# Altium PCB UltraZOhm_CarrierBoard.PcbDoc (part 1 of 12)
Units mm, origin at the board's own origin, x right, y up, seen from the top; angles counter-clockwise.
Board outline 350 x 128 mm, 6 copper layers (Top Layer, L02_GND, L03_Sig, L04_Sig, L05_VCC, Bottom Layer), stack 2.021 mm thick; 851 components, 1243 nets, 4332 pads, 2446 vias.
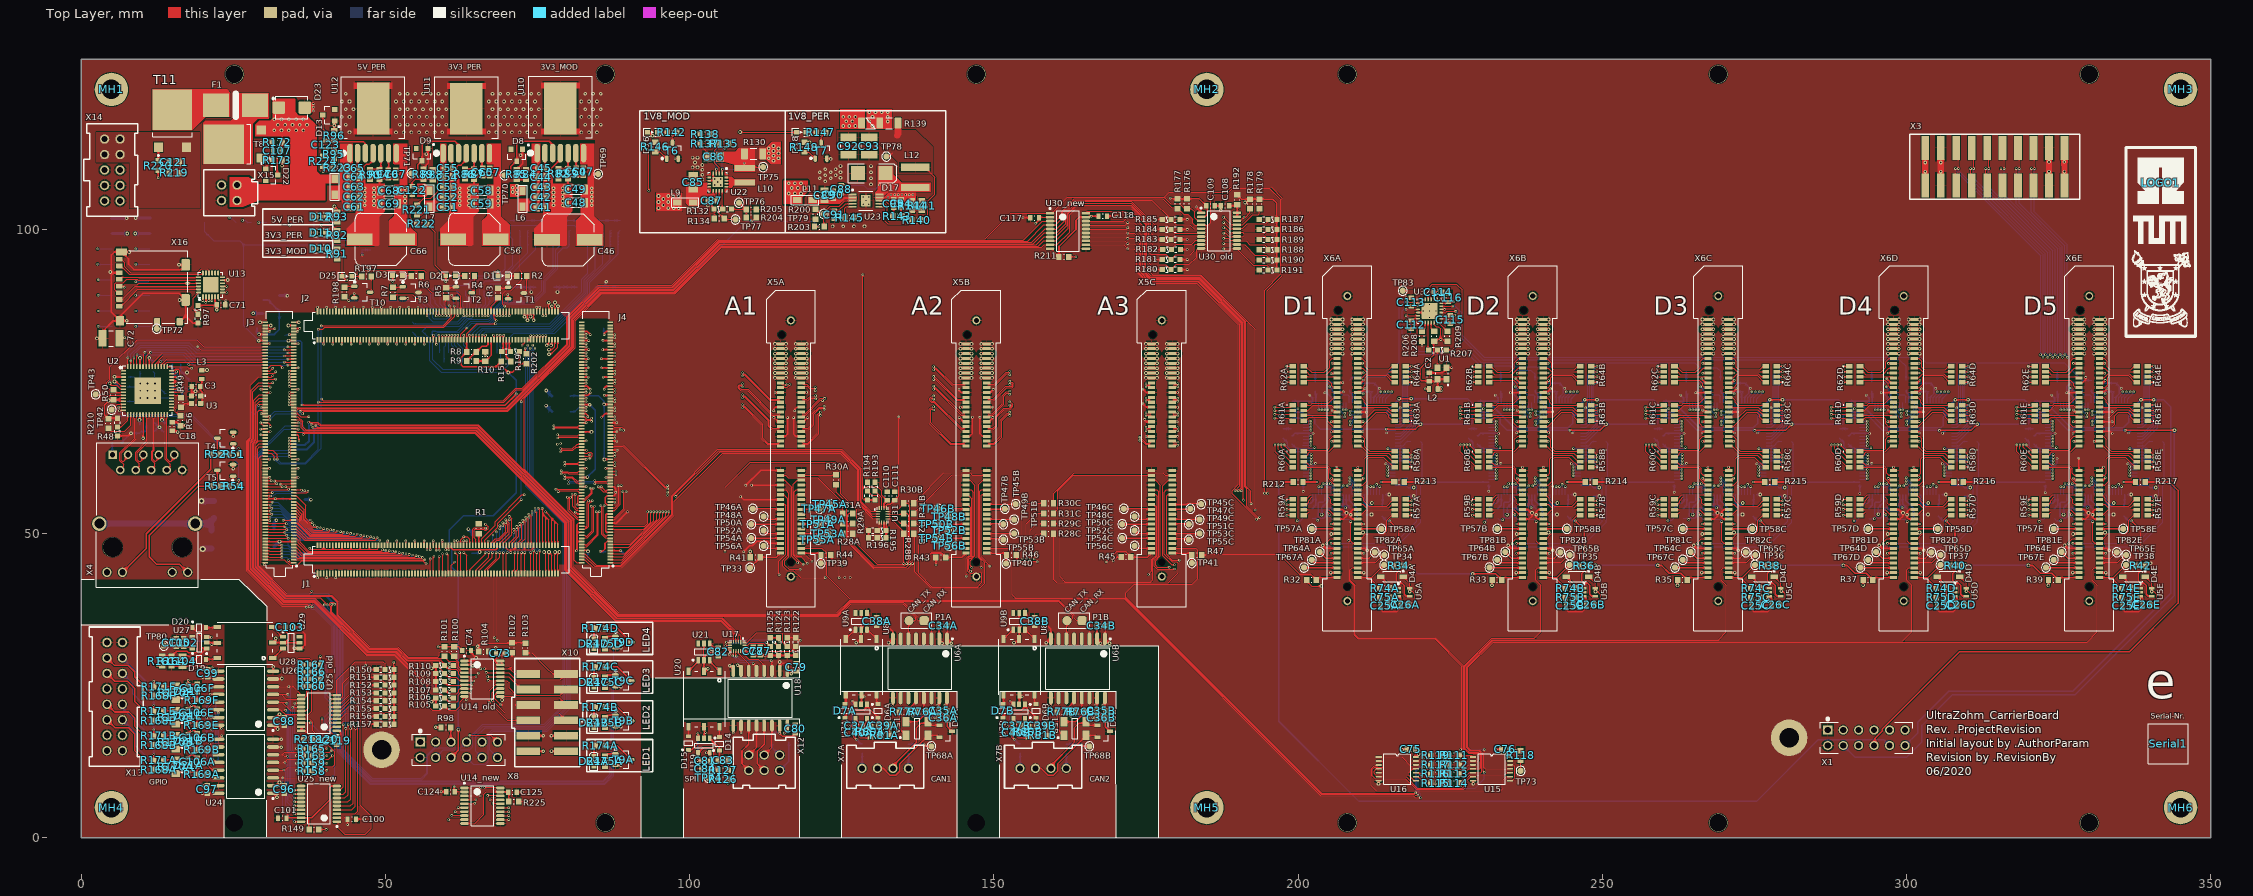
[diagram p0: Top Layer view]
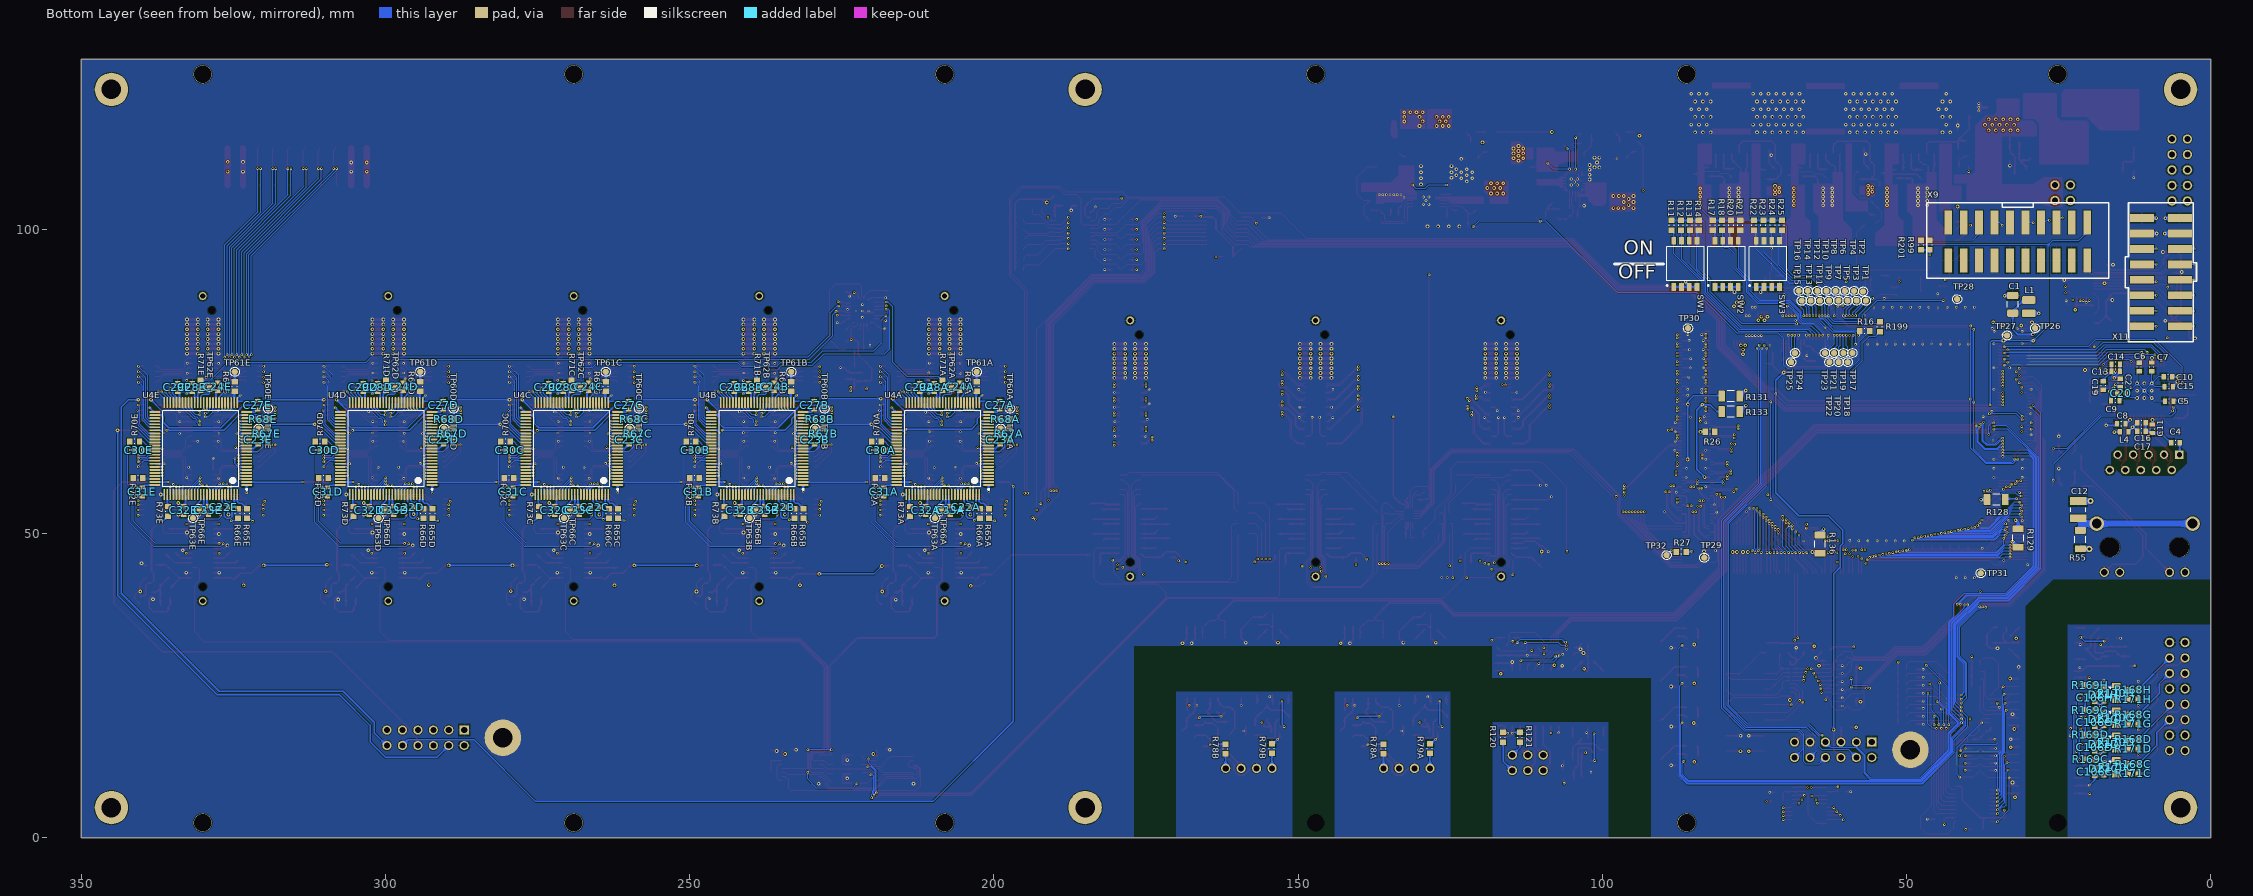
[diagram p1: Bottom Layer view, seen from below]
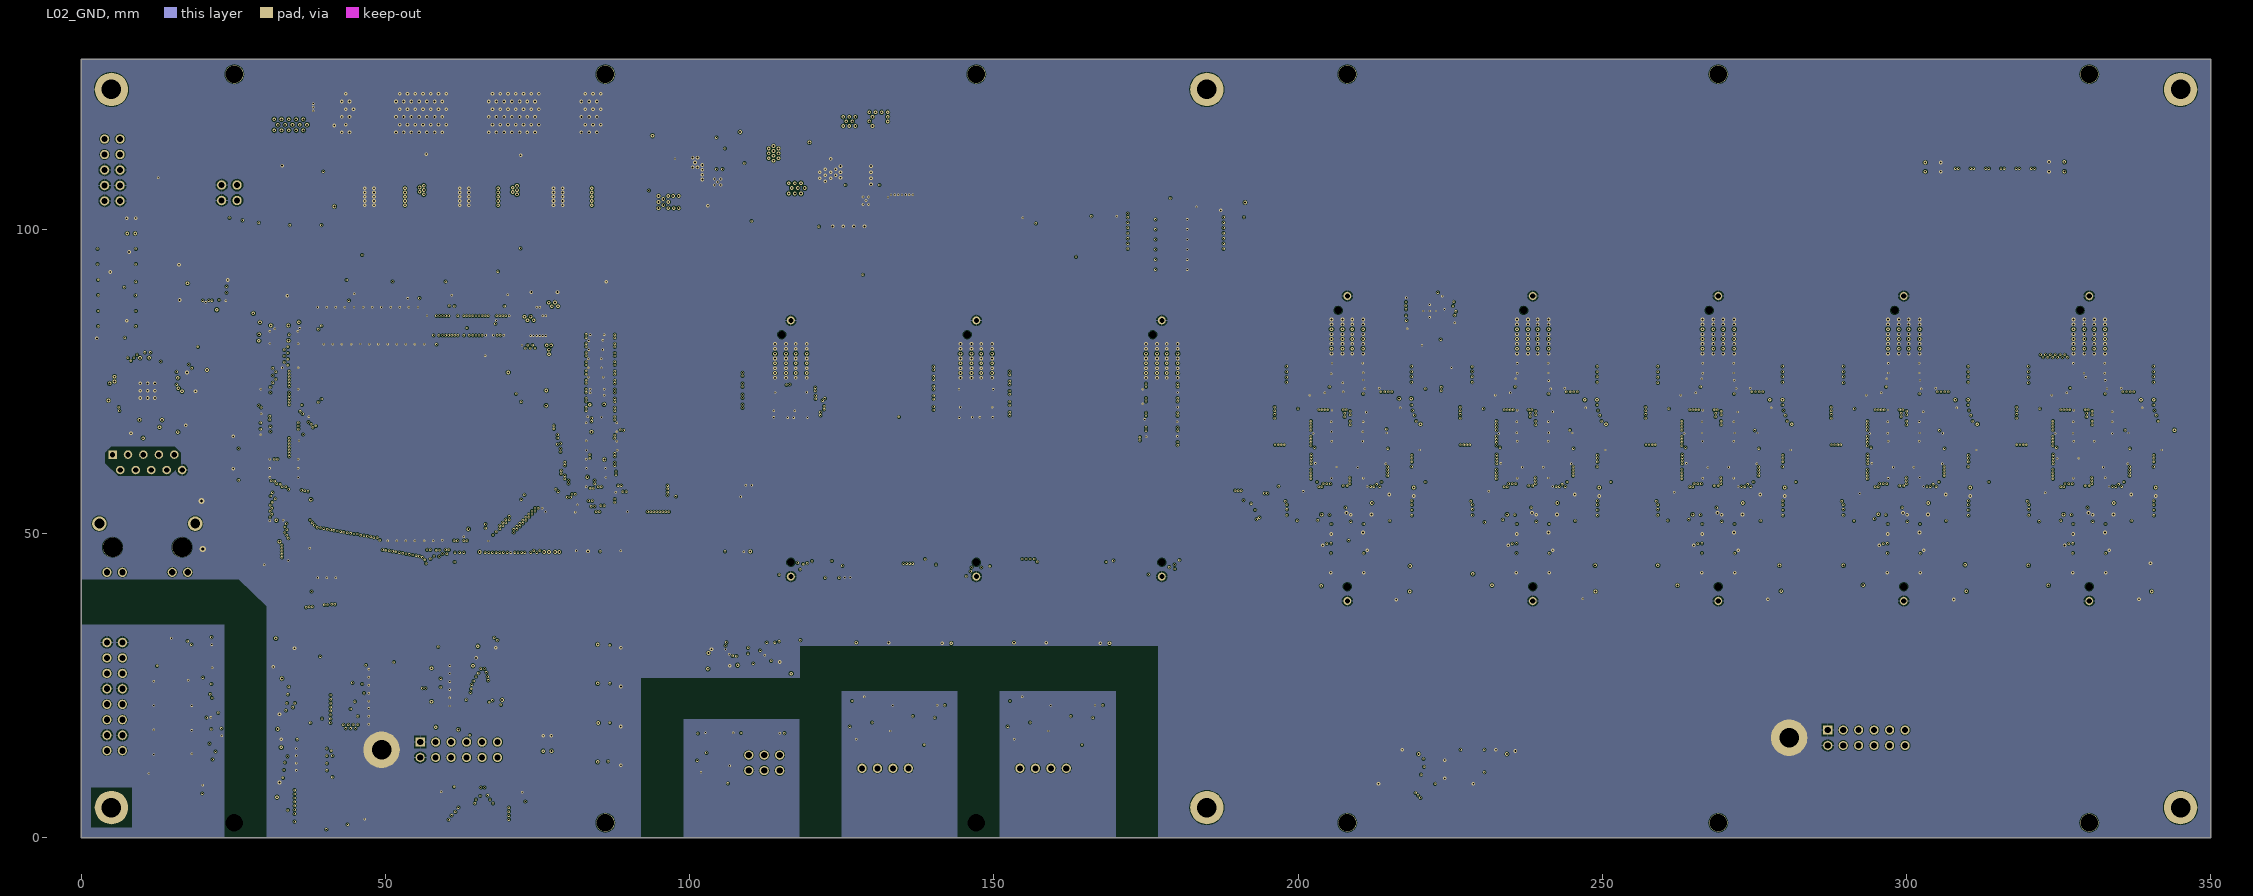
[diagram p2: L02_GND]
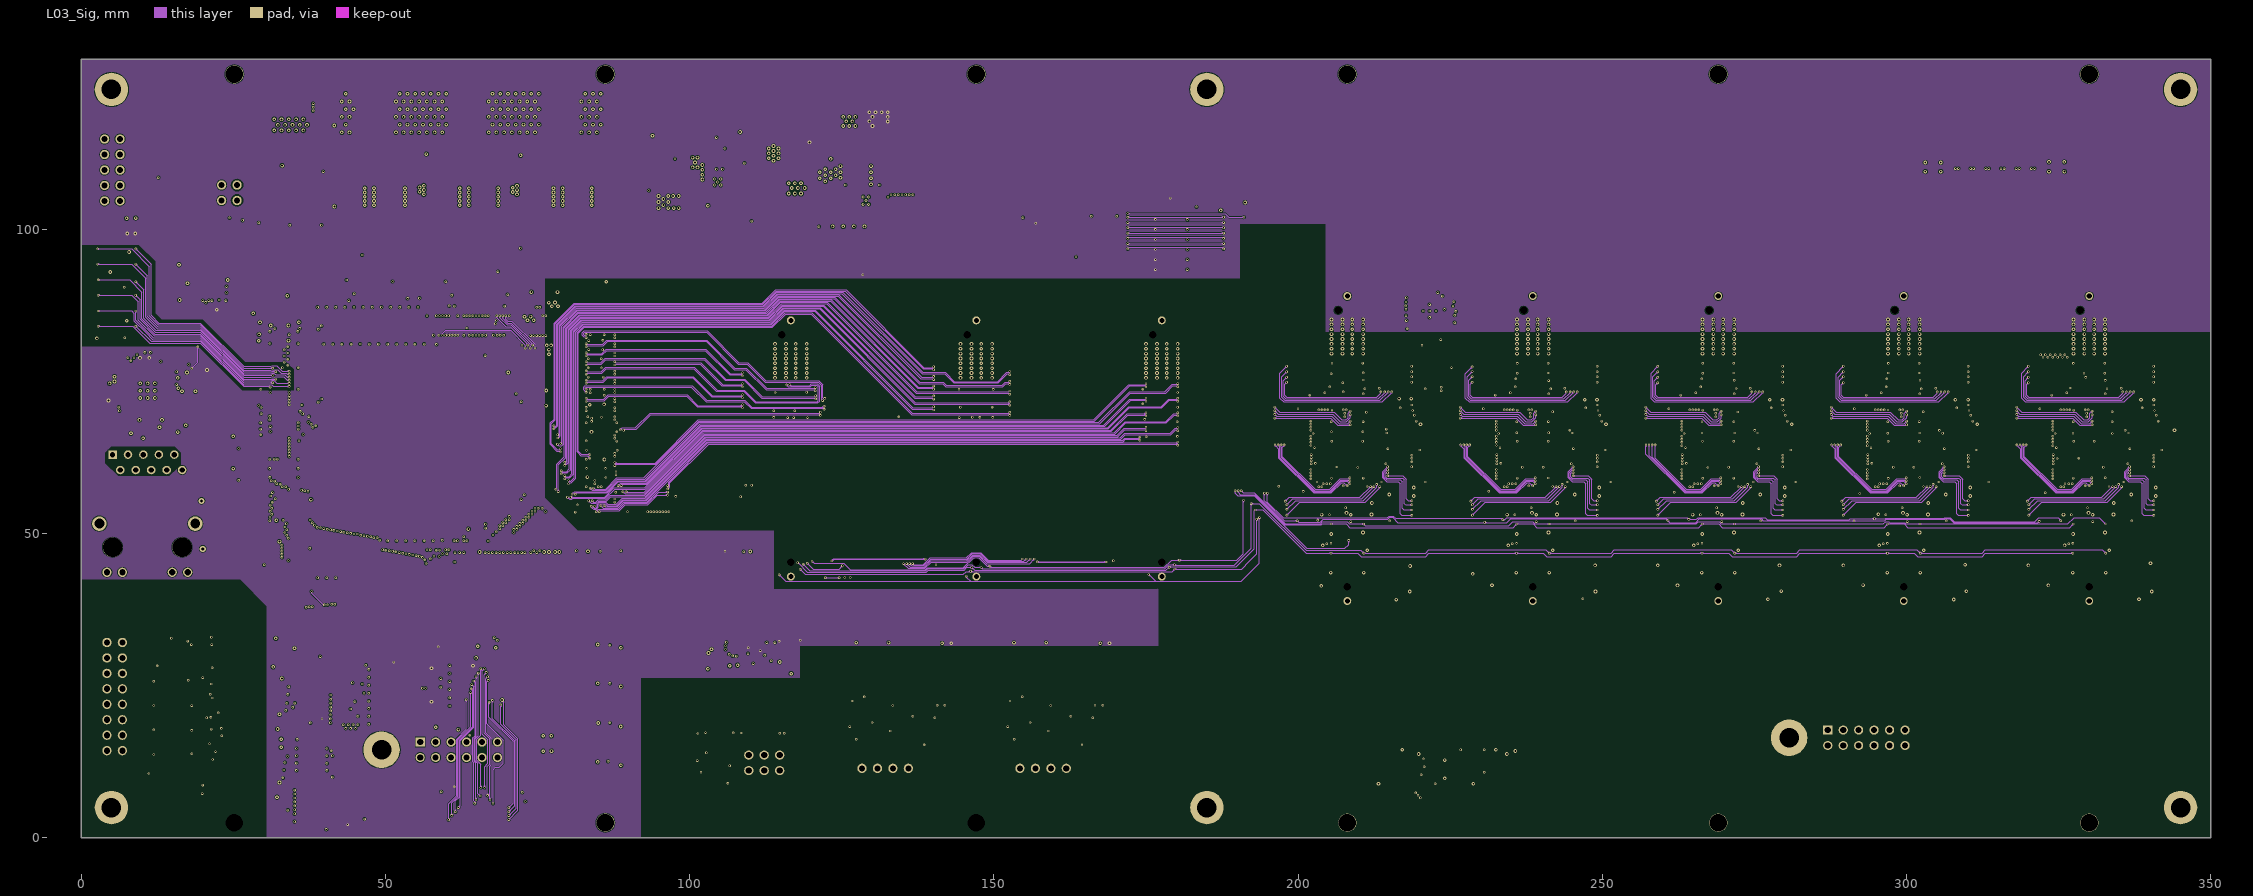
[diagram p3: L03_Sig]
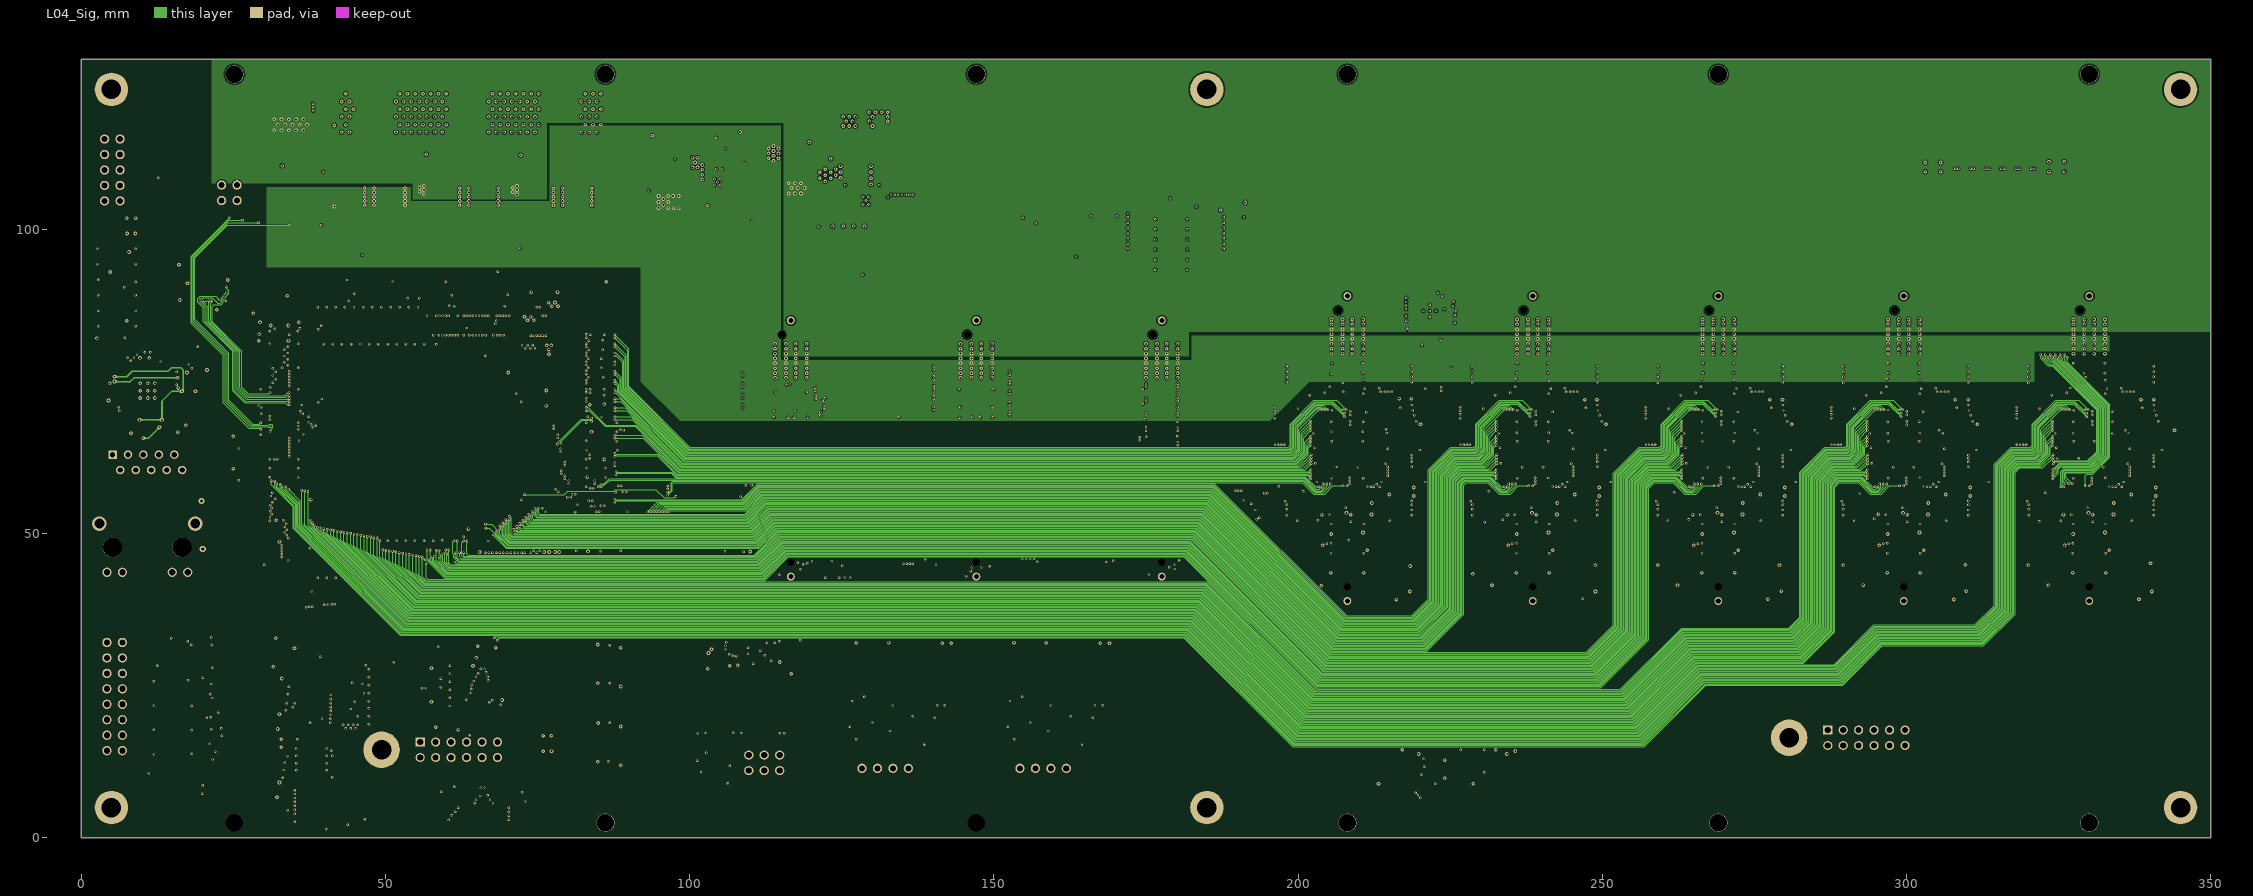
[diagram p4: L04_Sig]
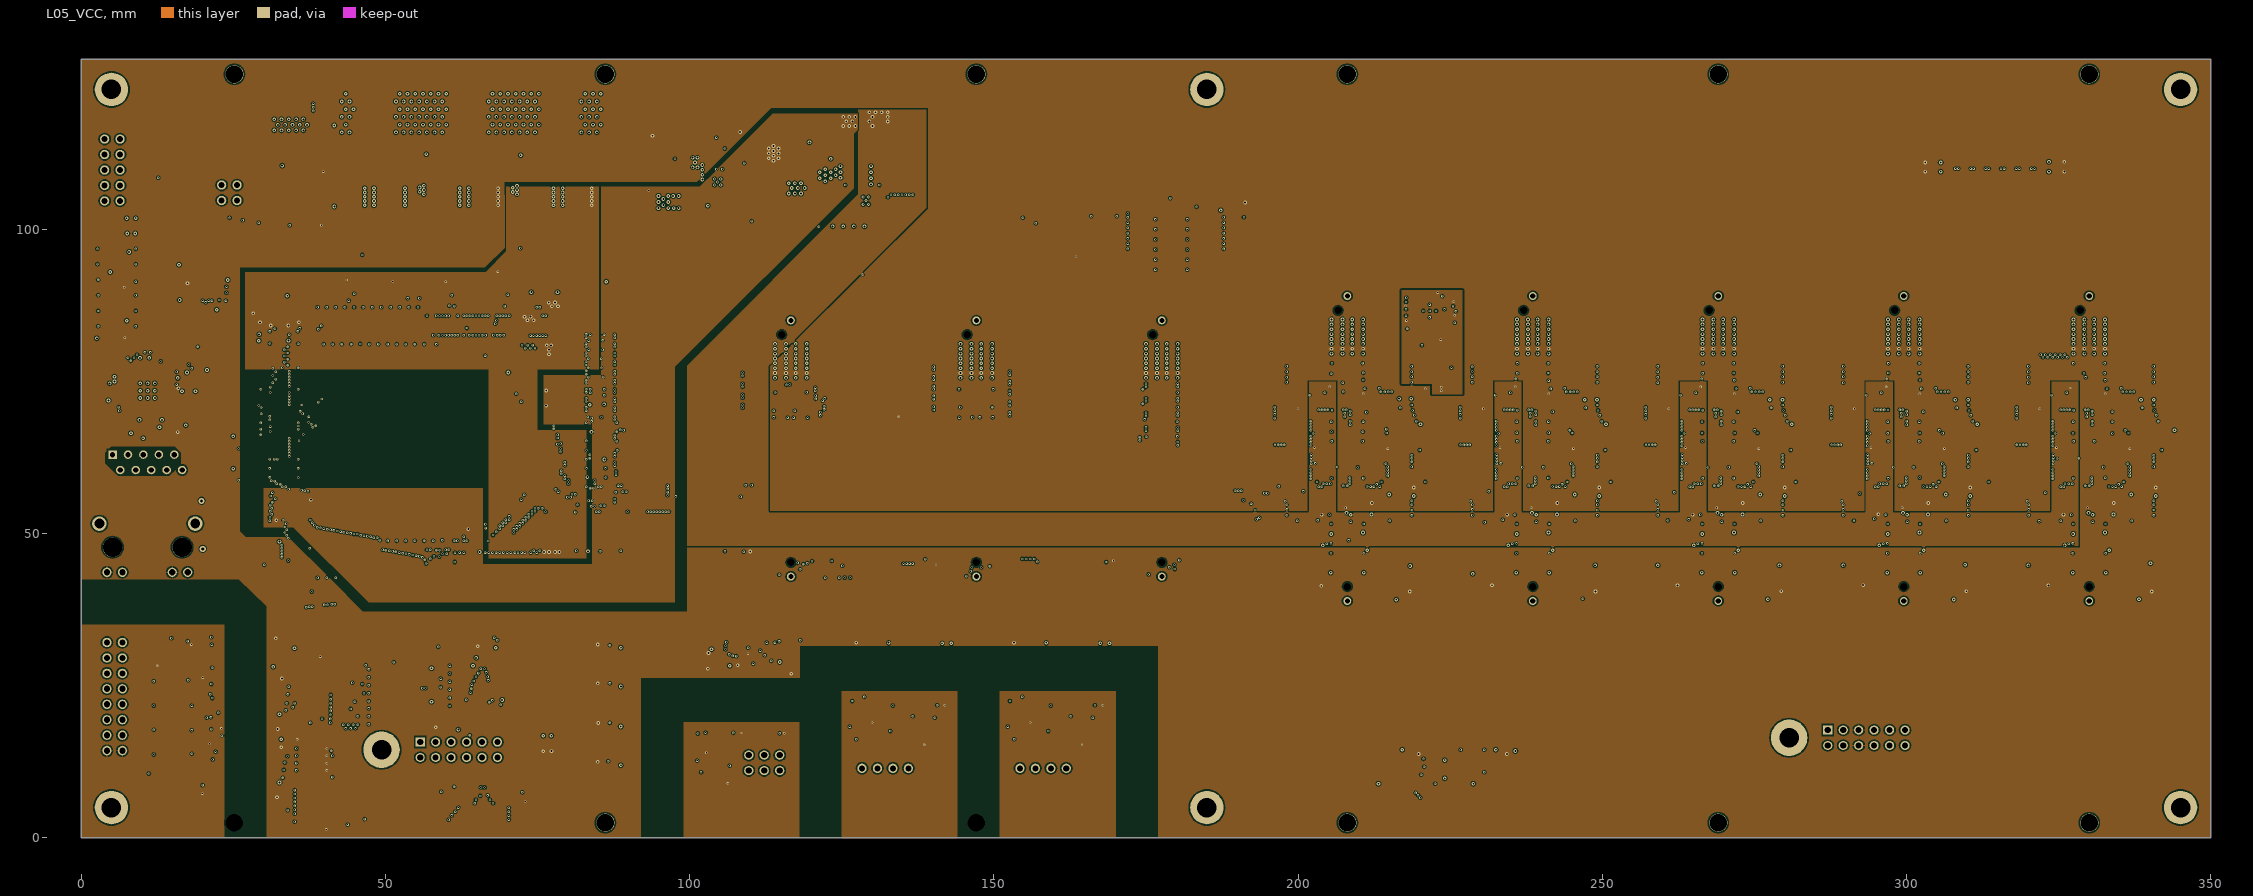
[diagram p5: L05_VCC]

## Layer stack, top to bottom
Top Solder: solder mask 0.0102, Solder Resist, Dk 3.5
Top Layer: signal copper 0.035
Dielectric 1: prepreg 0.14, FR-4, Dk 4
L02_GND: signal copper 0.0178
Dielectric 2: core 0.3, FR-4, Dk 4.5
L03_Sig: signal copper 0.0178
Dielectric 4: core 1, FR-4, Dk 4.5
L04_Sig: signal copper 0.0178
Dielectric 5: core 0.3, FR-4, Dk 4.5
L05_VCC: signal copper 0.0178
Dielectric 3: prepreg 0.14, FR-4, Dk 4
Bottom Layer: signal copper 0.035
Bottom Solder: solder mask 0.0102, Solder Resist, Dk 3.5

## Board outline
0,0 350,0 350,128 0,128

## Design rules (kind name [scope] priority, off if disabled: settings)
Clearance Clearance_Power [OnLayer('L05_VCC') or InNet('VIN')] p1: gap=0.1 ignorepadtopadclearanceinfootprint=FALSE except(0: Arc-Hole Track-Hole SMDPad-Hole THPad-Hole Via-Hole Fill-Hole Poly-Hole Region-Hole Text-Hole; 0.15: Via-Poly; 0.25: THPad-Poly; 0.3: Fill-Poly Poly-Poly Poly-Region; 0.5: Track-Poly)
Clearance [All] p2: gap=0.1 ignorepadtopadclearanceinfootprint=FALSE except(0: Arc-Hole Track-Hole SMDPad-Hole THPad-Hole Via-Hole Fill-Hole Poly-Hole Region-Hole Text-Hole)
ComponentClearance [All] p1: gap=0.1 collisioncheckmode=3 verticalgap=0.1 showdistances=FALSE
DiffPairsRouting DiffPairsRouting_d100 [InNetClass('D100')] p1: maxlimit=0.254 minlimit=0.1 mostfreqgap=0.1 toplayer_maxgap=0.1 toplayer_minwidth=0.1 toplayer_maxwidth=0.1 toplayer_prefwidth=0.1 midlayer1_maxgap=0.1 midlayer1_minwidth=0.1 midlayer1_maxwidth=0.1 midlayer1_prefwidth=0.1 midlayer2_maxgap=0.1 midlayer2_minwidth=0.1 midlayer2_maxwidth=0.1 midlayer2_prefwidth=0.1 bottomlayer_maxgap=0.1 bottomlayer_minwidth=0.1 bottomlayer_maxwidth=0.1 bottomlayer_prefwidth=0.1 impedanceprofiledriven=TRUE impedanceprofileid={8117B54A-8C1B-4DC7-B33B-7E8D047CED48} impedanceprofilevalue=100.000000 maxuncoupledlength=12.7
DiffPairsRouting [All] p2: maxlimit=0.12 minlimit=0.12 mostfreqgap=0.12 toplayer_minwidth=0.1 toplayer_maxwidth=0.1 toplayer_prefwidth=0.1 midlayer1_minwidth=0.1 midlayer1_maxwidth=0.1 midlayer1_prefwidth=0.1 midlayer2_minwidth=0.1 midlayer2_maxwidth=0.1 midlayer2_prefwidth=0.1 midlayer3_minwidth=0.1 midlayer3_maxwidth=0.1 midlayer3_prefwidth=0.1 midlayer4_minwidth=0.1 midlayer4_maxwidth=0.1 midlayer4_prefwidth=0.1 bottomlayer_minwidth=0.1 bottomlayer_maxwidth=0.1 bottomlayer_prefwidth=0.1 maxuncoupledlength=12.7
Height [All] p1: minheight=0 maxheight=50 prefheight=12.7
HoleSize [All] p1: absolutevalues=TRUE maxlimit=4 minlimit=0.025 maxpercent=80.000 minpercent=20.000
PolygonConnect PolygonConnect_power_input [InNet('NetC121_1')] p1: connectstyle=Direct reliefconductorwidth=0.254 reliefentries=4 polygonreliefangle="90 Angle" airgapwidth=0.254
PolygonConnect PolygonConnect_Therm [HoleSize > 2.6] p2: connectstyle=Direct reliefconductorwidth=0.254 reliefentries=4 polygonreliefangle="90 Angle" airgapwidth=0.254
PolygonConnect PolygonConnect_via [InPadClass('pad') or IsVia] p3: connectstyle=Direct reliefconductorwidth=0.254 reliefentries=4 polygonreliefangle="90 Angle" airgapwidth=0.254
PolygonConnect [All] p4: connectstyle=Relief reliefconductorwidth=0.2 reliefentries=4 polygonreliefangle="90 Angle" airgapwidth=0.25
RoomDefinition U_LevelShiftingXMOD [InComponentClass('U_LevelShiftingXMOD')] p1 off: confinementstyle=ConfineIn formatcopy=TRUE lockcomponents=FALSE outline 83.075,-22.85 128.575,-22.85 128.575,-9.85 83.075,-9.85
RoomDefinition U_LevelShiftingExtGPIO [InComponentClass('U_LevelShiftingExtGPIO')] p2: confinementstyle=ConfineIn formatcopy=TRUE lockcomponents=FALSE outline 28,0.5 54.5,0.5 54.5,30.5 28,30.5
RoomDefinition U_Power_Supply_1 [InComponentClass('U_Power_Supply_1')] p3: confinementstyle=ConfineIn formatcopy=TRUE lockcomponents=FALSE outline 37.4,92.7 90.135,92.7 90.135,127.68 37.4,127.68
RoomDefinition U_XMOD [InComponentClass('U_XMOD')] p4 off: confinementstyle=ConfineIn formatcopy=TRUE lockcomponents=FALSE outline 54.102,4.318 82.423,4.318 82.423,36.195 54.102,36.195
RoomDefinition IOp8 [InComponentClass('IOp8')] p5: confinementstyle=ConfineIn formatcopy=TRUE lockcomponents=FALSE outline 21.396,21.867 11.211,21.867 11.211,25.88 21.396,25.88
RoomDefinition IOp7 [InComponentClass('IOp7')] p6: confinementstyle=ConfineIn formatcopy=TRUE lockcomponents=FALSE outline 21.396,17.803 11.211,17.803 11.211,21.816 21.396,21.816
RoomDefinition IOp4 [InComponentClass('IOp4')] p7: confinementstyle=ConfineIn formatcopy=TRUE lockcomponents=FALSE outline 21.396,13.739 11.211,13.739 11.211,17.752 21.396,17.752
RoomDefinition IOp3 [InComponentClass('IOp3')] p8: confinementstyle=ConfineIn formatcopy=TRUE lockcomponents=FALSE outline 21.396,9.675 11.211,9.675 11.211,13.688 21.396,13.688
RoomDefinition U_Signal_Distribution [InComponentClass('U_Signal_Distribution')] p9 off: confinementstyle=ConfineIn formatcopy=TRUE lockcomponents=FALSE outline 264.693,9.75 326.441,9.75 326.441,32.75 264.693,32.75
RoomDefinition U_SD_Card [InComponentClass('U_SD_Card')] p10: confinementstyle=ConfineIn formatcopy=TRUE lockcomponents=FALSE outline 27.178,80.2 27.178,97.511 -0.8,97.511 -0.8,80.2
RoomDefinition U_Power_Supply_Input [InComponentClass('U_Power_Supply_Input')] p11: confinementstyle=ConfineIn formatcopy=TRUE lockcomponents=FALSE outline 0,101.5 38.142,101.5 38.142,125.684 0,125.684
RoomDefinition U_Power_Supply_2 [InComponentClass('U_Power_Supply_2')] p12 off: confinementstyle=ConfineIn formatcopy=TRUE lockcomponents=FALSE outline 91.3,98.9 142.6,98.9 142.6,119.9 91.3,119.9
RoomDefinition U_isoSPI [InComponentClass('U_isoSPI')] p13: confinementstyle=ConfineIn formatcopy=TRUE lockcomponents=FALSE outline 98.425,37.464 98.425,7.899 118.974,7.899 118.974,37.464
RoomDefinition U_isoGPIO [InComponentClass('U_isoGPIO')] p14: confinementstyle=ConfineIn formatcopy=TRUE lockcomponents=FALSE outline 37.9,37.592 0,37.592 0,6.096 37.9,6.096
RoomDefinition U_ETH-PHY [InComponentClass('U_ETH-PHY')] p15: confinementstyle=ConfineIn formatcopy=TRUE lockcomponents=FALSE outline 27.072,80 0.152,80 0.152,38.772 27.072,38.772
RoomDefinition U_Collective_FAULT_logic [InComponentClass('U_Collective_FAULT_logic')] p16: confinementstyle=ConfineIn formatcopy=TRUE lockcomponents=FALSE outline 211.8,7 239.9,7 239.9,16.281 211.8,16.281
RoomDefinition U_Board2Board [InComponentClass('U_Board2Board')] p17: confinementstyle=ConfineIn formatcopy=TRUE lockcomponents=FALSE outline 330.205,104.02 330.205,118.066 299.598,118.066 299.598,104.02
RoomDefinition IOp6 [InComponentClass('IOp6')] p18: confinementstyle=ConfineIn formatcopy=TRUE lockcomponents=FALSE outline 21.396,25.831 11.211,25.831 11.211,21.817 21.396,21.817
RoomDefinition IOp5 [InComponentClass('IOp5')] p19: confinementstyle=ConfineIn formatcopy=TRUE lockcomponents=FALSE outline 21.396,21.767 11.211,21.767 11.211,17.753 21.396,17.753
RoomDefinition IOp2 [InComponentClass('IOp2')] p20: confinementstyle=ConfineIn formatcopy=TRUE lockcomponents=FALSE outline 21.396,17.703 11.211,17.703 11.211,13.689 21.396,13.689
RoomDefinition IOp1 [InComponentClass('IOp1')] p21: confinementstyle=ConfineIn formatcopy=TRUE lockcomponents=FALSE outline 21.402,13.689 11.217,13.689 11.217,9.675 21.402,9.675
RoomDefinition DIG5 [InComponentClass('DIG5')] p22: confinementstyle=ConfineIn formatcopy=TRUE lockcomponents=FALSE outline 317.27,33.619 343.12,33.619 343.12,96.119 317.27,96.119
RoomDefinition DIG4 [InComponentClass('DIG4')] p23: confinementstyle=ConfineIn formatcopy=TRUE lockcomponents=FALSE outline 286.79,33.619 312.64,33.619 312.64,96.119 286.79,96.119
RoomDefinition DIG3 [InComponentClass('DIG3')] p24: confinementstyle=ConfineIn formatcopy=TRUE lockcomponents=FALSE outline 256.31,33.619 282.16,33.619 282.16,96.119 256.31,96.119
RoomDefinition DIG2 [InComponentClass('DIG2')] p25: confinementstyle=ConfineIn formatcopy=TRUE lockcomponents=FALSE outline 225.83,33.619 251.68,33.619 251.68,96.119 225.83,96.119
RoomDefinition DIG1 [InComponentClass('DIG1')] p26: confinementstyle=ConfineIn formatcopy=TRUE lockcomponents=FALSE outline 195.35,33.619 221.2,33.619 221.2,96.119 195.35,96.119
RoomDefinition DiagLED4 [InComponentClass('DiagLED4')] p27: confinementstyle=ConfineIn formatcopy=TRUE lockcomponents=FALSE outline 82.858,29.897 94.195,29.897 94.195,35.739 82.858,35.739
RoomDefinition DiagLED3 [InComponentClass('DiagLED3')] p28: confinementstyle=ConfineIn formatcopy=TRUE lockcomponents=FALSE outline 82.858,23.547 94.195,23.547 94.195,29.389 82.858,29.389
RoomDefinition DiagLED2 [InComponentClass('DiagLED2')] p29: confinementstyle=ConfineIn formatcopy=TRUE lockcomponents=FALSE outline 82.858,16.943 94.195,16.943 94.195,22.785 82.858,22.785
RoomDefinition DiagLED1 [InComponentClass('DiagLED1')] p30: confinementstyle=ConfineIn formatcopy=TRUE lockcomponents=FALSE outline 82.858,10.593 94.195,10.593 94.195,16.435 82.858,16.435
RoomDefinition CAN2 [InComponentClass('CAN2')] p31: confinementstyle=ConfineIn formatcopy=TRUE lockcomponents=FALSE outline 149.964,37.805 149.964,7.96 170.919,7.96 170.919,37.805
RoomDefinition CAN1 [InComponentClass('CAN1')] p32: confinementstyle=ConfineIn formatcopy=TRUE lockcomponents=FALSE outline 124.011,37.805 124.011,7.96 144.966,7.96 144.966,37.805
RoomDefinition AIN3 [InComponentClass('AIN3')] p33: confinementstyle=ConfineIn formatcopy=TRUE lockcomponents=FALSE outline 190.01,92.702 157.226,92.702 157.226,37.33 190.01,37.33
RoomDefinition AIN2 [InComponentClass('AIN2')] p34: confinementstyle=ConfineIn formatcopy=TRUE lockcomponents=FALSE outline 156.134,92.702 134.239,92.702 134.239,37.33 156.134,37.33
RoomDefinition AIN1 [InComponentClass('AIN1')] p35: confinementstyle=ConfineIn formatcopy=TRUE lockcomponents=FALSE outline 129.05,92.702 104.15,92.702 104.15,37.33 129.05,37.33
RoutingVias [All] p1: holewidth=0.2 width=0.4 viastyle="Through Hole" minholewidth=0.2 minwidth=0.4 maxholewidth=0.5 maxwidth=1
SolderMaskExpansion [All] p1: expansion=0.102
Width width_s75 [InNetClass('S75')] p1: maxlimit=0.254 minlimit=0.1 preferedwidth=0.1 toplayer_maxwidth=0.1 midlayer1_maxwidth=0.1 midlayer2_maxwidth=0.1 bottomlayer_maxwidth=0.1 impedanceprofiledriven=TRUE impedanceprofileid={D81CEA18-D474-4F10-8953-A6CCB59C65FB} impedanceprofilevalue=75.000000 minimp=50.000000 maximp=50.000000 favimp=50.000000
Width [All] p2: maxlimit=10 minlimit=0.1 preferedwidth=0.1
26 further rules are at their usual default settings.
